# KiCad board LED_torch_v03.kicad_pcb
title: LED Torch; date: 2025-07-05; rev: 0.2; company: Sevillabot; note: Project 1; note: KiCAD like a Pro - Udemy Course; note: A basic PCB project
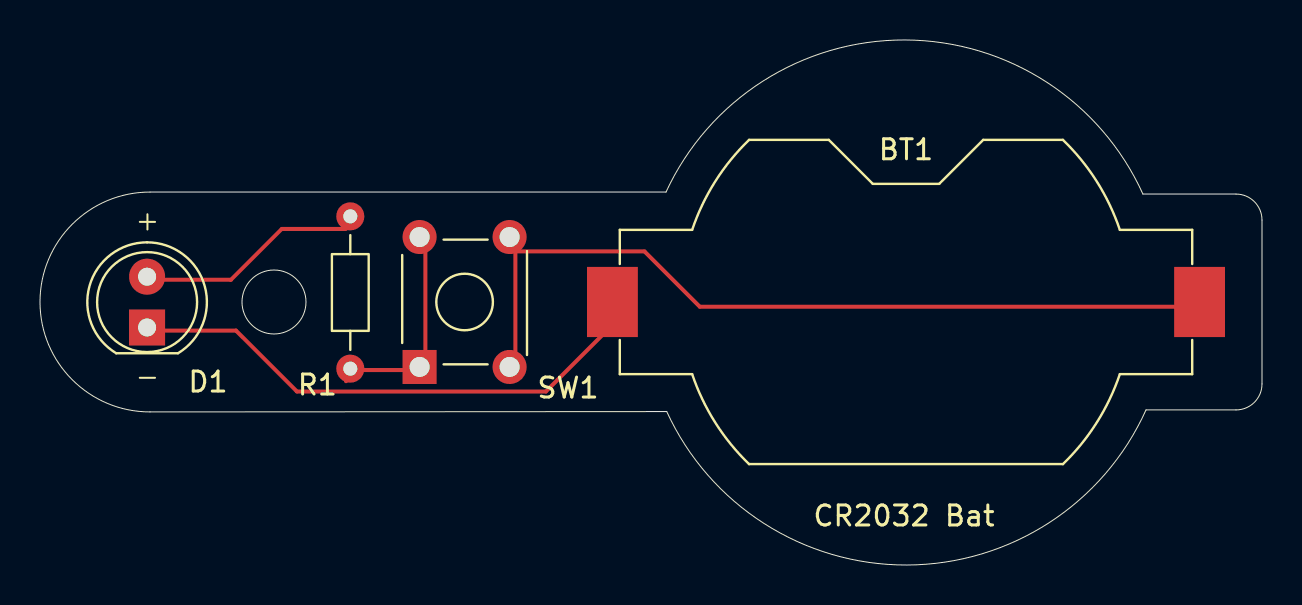
[diagram p0: board, top side]
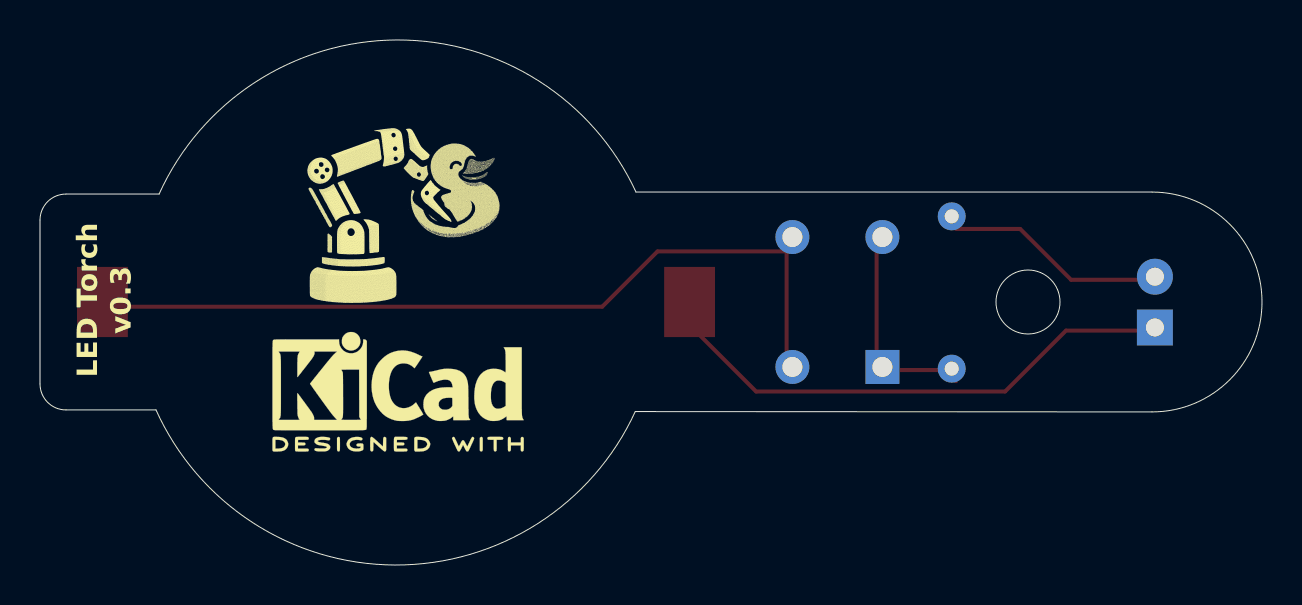
[diagram p1: board, bottom side, seen from below]

Outline 61.1 x 26.27 mm; copper layers: Top, Bottom. Coordinates in mm from the lower left corner of the outline.
Outline path: circle c11.7,13.16 r1.6 ; 5.5,18.66 31.3,18.66 arc(43.25,26.27) 55.15,18.56 59.8,18.56 arc(60.72,18.18) 61.1,17.26 61.1,9.06 arc(60.72,8.14) 59.8,7.76 55.3,7.76 arc(43.35,0) 31.34,7.68 5.5,7.66 arc(0,13.16) 5.5,18.66

## Placement (name value [footprint] x y rotation side)
BT1  CR2032 Bat  [BatteryHolder_Keystone_1058_1x2032]  43.3 13.16 180 top
D1  LED  [LED_D5.0mm]  5.36 11.88 90 top
G***  LOGO  [duckie_logo_12mm_halftone]  42.82 17.44 180 bottom
R1  R  [R_Axial_DIN0204_L3.6mm_D1.6mm_P7.62mm_Horizontal]  15.52 17.44 270 top
REF**  -  [KiCad-Logo2_5mm_SilkScreen]  43.2 8.68 180 bottom
SW1  SW_DPDT_x2  [SW_TH_Tactile_Omron_B3F-10xx]  18.98 9.91 90 top

## Library data of the parts
BT1 = -: Description: Single-cell battery
D1 = -: Description: Light emitting diode; Sim.Pins: 1=K 2=A; ki_fp_filters: LED* LED_SMD:* LED_THT:*
R1 = -: Description: Resistor; ki_fp_filters: R_*
SW1 = -: Description: Single Pole Single Throw (SPST) switch, separate symbol

## Footprints (pads in the part's own frame, mm; a bottom-side part is the same pattern mirrored in y, then rotated)
BatteryHolder_Keystone_1058_1x2032
  rect 2.54x3.51 smd: 1(-14.68,0) 2(14.68,0)
LED_D5.0mm
  rect 1.8x1.8 hole 0.9: 1(0,0)
  round 1.8 hole 0.9: 2(2.54,0)
R_Axial_DIN0204_L3.6mm_D1.6mm_P7.62mm_Horizontal
  round 1.4 hole 0.7: 1(0,0) 2(7.62,0)
SW_TH_Tactile_Omron_B3F-10xx
  rect 1.7x1.7 hole 1: 1(0,0)
  round 1.7 hole 1: 1(6.5,0) 2(0,-4.5) 2(6.5,-4.5)

## Nets
/bat_pos: BT1.1 SW1.2
/LED_anode: D1.2 R1.1
/LED_cathode: BT1.2 D1.1
Net-(SW1A-A): R1.2 SW1.1

## Routing (per net, layer and track width the routed paths; a pad name or vN(x,y) marks a point on that pad's centre or on a via; arc(x,y) is an arc through that point)
/bat_pos: length 41.9
  Top w0.2: 23.77,15.69 30.22,15.69 32.99,12.92 57.98,12.92 ; 23.77,16.25 23.77,9.75
/LED_anode: length 11
  Top w0.2: 15.3,16.81 12.09,16.81 9.55,14.27 5.36,14.27
/LED_cathode: length 27.1
  Top w0.2: BT1.2 28.62,12.01 25.29,8.68 12.85,8.68 9.8,11.73 5.36,11.73
Net-(SW1A-A): length 11.8
  Top w0.2: 19.27,9.19 18.51,9.95 ; 15.3,9.19 15.86,9.75 19.27,9.75 19.27,16.25

## Text on the board
B.Silkscreen: LED Torch / v0.3
F.Silkscreen: + | -
